# Altium PCB OECU_BASE.PcbDoc (part 5 of 6)
Units mil, origin at the board's own origin, x right, y up, seen from the top; angles counter-clockwise.
Board outline 3937.01 x 3937.01 mil, 6 copper layers (SIG1, GND1, SIG2, POWER, GND2, SIG3), stack 60.566 mil thick; 357 components, 364 nets, 1500 pads, 1127 vias.
Unrouted connection lines stored in the file: 1.
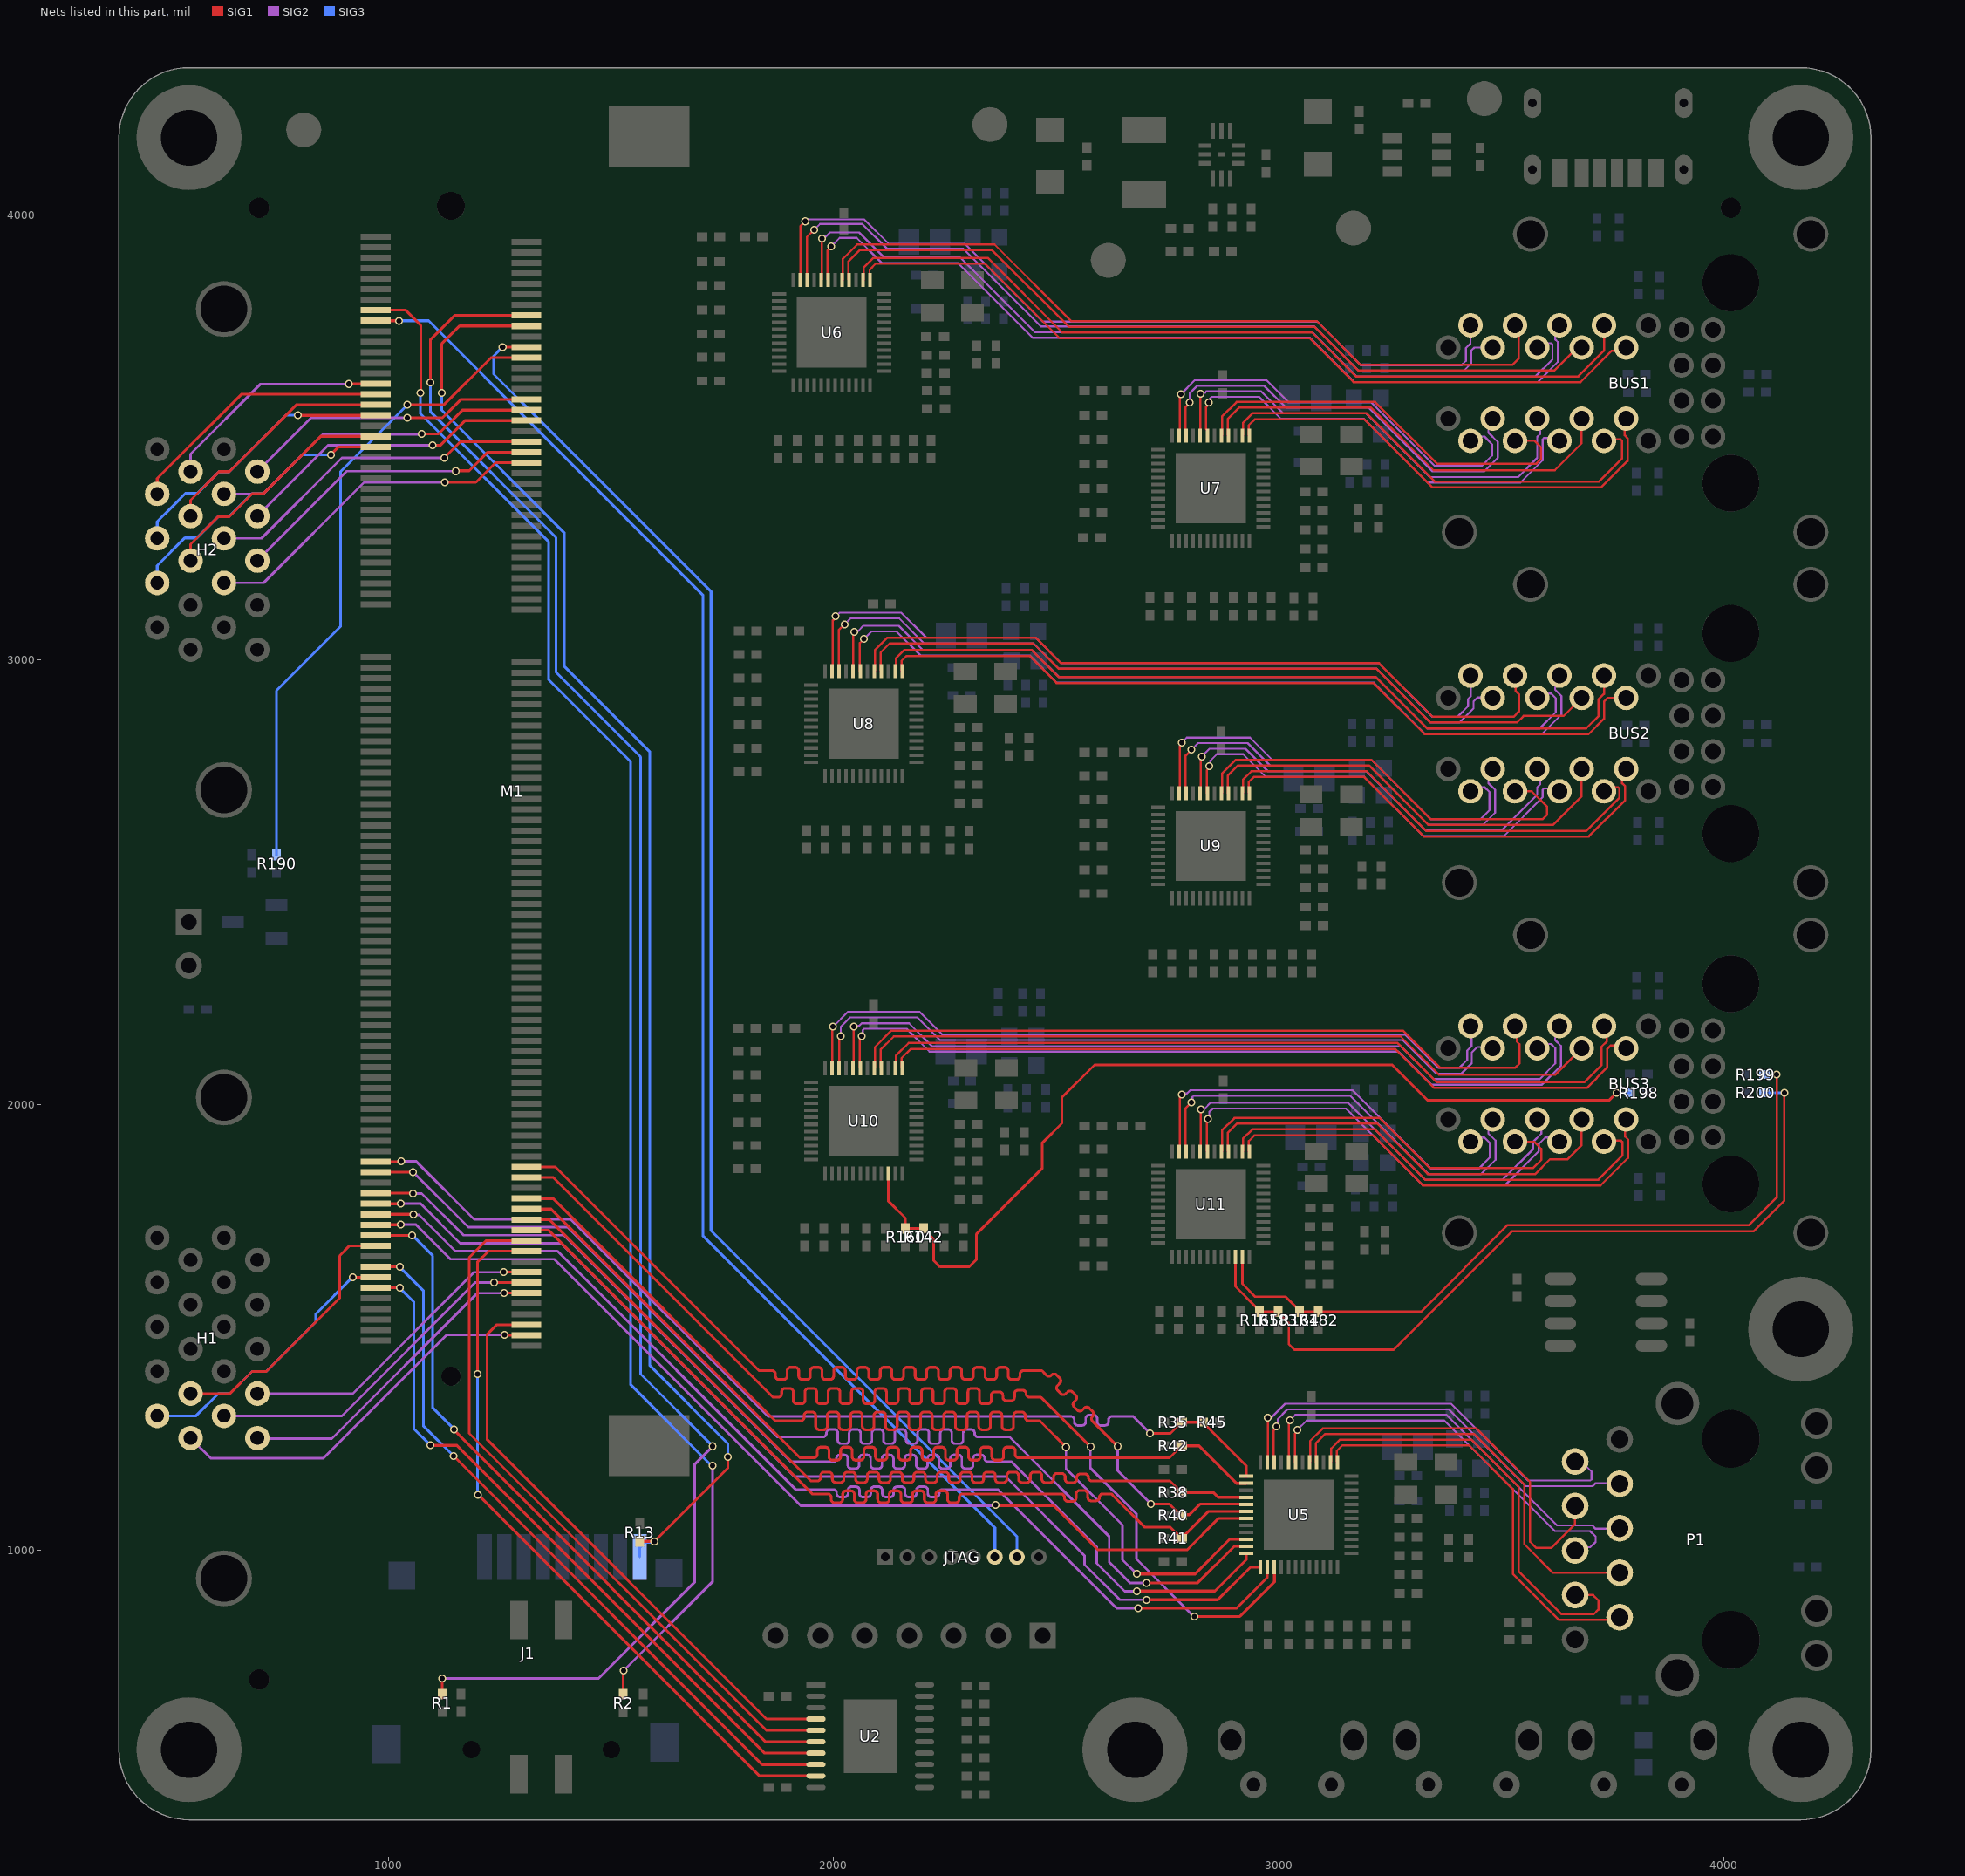
[diagram p9: the nets of this part, all layers, seen from the top]

## Via types
v1: diameter 17.72, hole 11.81, SIG1 to SIG3, tented both sides, 1064 vias
v2: diameter 23.62, hole 11.81, SIG1 to SIG3, tented both sides, 63 vias

## Nets (pads, with @x,y where several pads share a name; then routed paths per layer and width w, separated by ;. In a path a pad name is that pad's centre, name@x,y a point inside that pad or via, vN(x,y) a via of type N, cw(c..) or ccw(c..) an arc to the next point about the centre after c; other vN are vias at no path point) (continued)
LED5_YN: R142.2 R160.1 R198.1 U10.34 | length 2163.2
  SIG1 w6: R142.2@2205,1722.69 2205,1717.72 2225,1697.72 2225,1650 2239,1636 2304,1636 2321,1653 2321,1710 2469,1858 2469,1915 2512.75,1958.75 2512.75,2016.75 2586,2090 3255,2090 3335,2010 3742,2010 v1(3759,2027)
  SIG1 w6.16: U10.34@2122.5,1845.89 2122.5,1784.5 2161,1746 R160.1@2161,1722.68 R142.2@2205,1722.69
  SIG3 w6: v1(3759,2027) R198.1@3789.32,2027
LED6_GP: R164.2 R182.1 R199.2 U11.35 | length 1698.9
  SIG1 w5: R182.1@3089,1535.68 3319.68,1535.68 3514,1730 4057,1730 4119,1792 v1(4119,2068)
  SIG1 w5.61: U11.35@2918.25,1658.78 2918.25,1597.75 2947,1569 3015.65,1569 3047,1537.65 R164.2@3047,1535.69 R182.1@3089,1535.68
  SIG3 w5: R199.2@4091,2068.22 4118.78,2068.22 v1(4119,2068)
LED6_YN: R165.2 R183.1 R200.1 U11.34 | length 1815.1
  SIG1 w5: R183.1@2999,1535.68 2999,1533.72 3023,1509.72 3023,1462 3035,1450 3258,1450 3524,1716 4067,1716 4136,1785 v1(4136,2027)
  SIG1 w5.61: U11.34@2902.5,1658.78 2902.5,1592.15 2949.96,1544.69 2957,1537.65 R165.2@2957,1535.69 R183.1@2999,1535.68
  SIG3 w5: R200.1@4091,2027.22 4135.78,2027.22 v1(4136,2027)
MDI0_0_N: P1.3 U5.2 | length 996
  SIG1 w4.88: U5.2@3116.25,1197 3117.69,1198.43 3117.69,1227.9 3137.66,1247.88 3433.12,1247.88 3539,1142 3539,952 3635.39,855.61 3707.61,855.61 3718,866 3718,887 3706.38,898.62 P1.3@3666,898.62
MDI0_0_P: P1.2 U5.1 | length 943
  SIG1 w4.88: U5.1@3132,1197 3130.57,1198.43 3130.57,1222.57 3143,1235 3427.79,1235 3526.12,1136.67 3526.12,946.67 3630.05,842.73 3760.12,842.73 P1.2@3766,848.62
MDI0_1_N: P1.7 U5.5 | length 908.3
  SIG1 w4.88: U5.5@3069.01,1197 3070.44,1198.43 3070.44,1244.66 3099.43,1273.64 3443.79,1273.64 3564.76,1152.67 3564.76,1018.46 3578.22,1005 3613,1005 3666,1058 P1.7@3666,1098.62
MDI0_1_P: P1.4 U5.4 | length 942.4
  SIG1 w4.88: U5.4@3084.76,1197 3083.32,1198.43 3083.32,1239.32 3104.76,1260.76 3438.46,1260.76 3551.88,1147.34 3551.88,1013.12 3616.38,948.62 P1.4@3766,948.62
MDI0_2_N: P1.6 U5.8 | length 947.9
  SIG1 w4.88: U5.8@3021.76,1197 3023.2,1198.43 3023.2,1289.2 v1(3025,1291)
  SIG2 w4.44: v1(3025,1291) 3037.44,1303.44 3377.15,1303.44 3625.56,1055.03 3704.55,1055.03 3712.05,1047.53 3764.91,1047.53 P1.6@3766,1048.62
MDI0_2_P: P1.5 U5.7 | length 928.9
  SIG1 w4.88: U5.7@3037.51,1197 3036.08,1198.43 3036.08,1260.72 3042,1266.65 v1(3042,1270)
  SIG2 w4.44: v1(3042,1270) 3063,1291 3372,1291 3620.41,1042.59 3699.4,1042.59 3712,1029.99 3712,1018 3700.06,1006.06 3673.44,1006.06 P1.5@3666,998.62
MDI0_3_N: P1.9 U5.11 | length 977.1
  SIG1 w4.88: U5.11@2974.52,1197 2975.32,1197.8 v1(2975.32,1297.32)
  SIG2 w4.44: v1@2979.39,1293.45 2979.39,1297.8 2981.45,1299.86 2985.83,1299.86 3014.29,1328.32 3387.46,1328.32 3559.88,1155.9 3700.07,1155.9 3702.67,1158.5 3702.67,1176.33 3680.38,1198.62 P1.9@3666,1198.62
MDI0_3_P: P1.8 U5.10 | length 953.7
  SIG1 w4.88: U5.10@2990.27,1197 2988.83,1198.43 2988.83,1268.72 2995,1274.89 v1(2995,1278)
  SIG2 w4.44: v1(2995,1278) 2997.54,1280.54 2997.54,1293.97 3019.45,1315.88 3382.31,1315.88 3554.73,1143.46 3705.22,1143.46 3712.07,1150.31 3764.31,1150.31 P1.8@3766,1148.62
MDI1_0_N: BUS1.U3 U6.2 | length 1892.5
  SIG1 w4.88: U6.2@2066.25,3853.5 2067.69,3854.93 2067.69,3881.9 2089.16,3903.38 2345.84,3903.38 2513.59,3735.62 3063.52,3735.62 3063.9,3736 3074.57,3736 3173.45,3637.12 3672.91,3637.12 3730.71,3694.92 BUS1.U3@3730.71,3751.97
MDI1_0_P: BUS1.U2 U6.1 | length 1872.4
  SIG1 w4.88: U6.1@2082,3853.5 2080.57,3854.93 2080.57,3876.57 2094.5,3890.5 2340.5,3890.5 2508.26,3722.74 3068.86,3722.74 3069.24,3723.12 3168.11,3624.24 3678.24,3624.24 3748.69,3694.69 3773.43,3694.69 BUS1.U2@3780.71,3701.97
MDI1_1_N: BUS1.U7 U6.5 | length 1776.9
  SIG1 w4.88: U6.5@2019.01,3853.5 2020.44,3854.93 2020.44,3901.16 2052.78,3933.5 2361.22,3933.5 2533.34,3761.38 3058.18,3761.38 3058.38,3761.57 3085.43,3761.57 3184.12,3662.88 3524.88,3662.88 3539.27,3677.27 3539.27,3743.41 BUS1.U7@3530.71,3751.97
MDI1_1_P: BUS1.U4 U6.4 | length 1834.4
  SIG1 w4.88: U6.4@2034.76,3853.5 2033.32,3854.93 2033.32,3895.82 2058.12,3920.62 2355.88,3920.62 2528,3748.5 3063.52,3748.5 3063.71,3748.69 3080.09,3748.69 3178.78,3650 3619,3650 3670.97,3701.97 BUS1.U4@3680.71,3701.97
MDI1_2_N: BUS1.U6 U6.8 | length 1958.1
  SIG1 w4.88: U6.8@1971.76,3853.5 1973.2,3854.93 1973.2,3945.7 v1(1974,3946.5)
  SIG2 w4.44: v1@1979,3947.91 1982.27,3951.17 1982.39,3951.17 1991.74,3960.53 2056.97,3960.53 2113,3904.5 2284.09,3904.5 2452.09,3736.5 3075.31,3736.5 3174.81,3637 3577,3637 3614.93,3674.93 3614.93,3708.95 3612.33,3711.55 3590.29,3711.55 BUS1.U6@3580.71,3701.97
MDI1_2_P: BUS1.U5 U6.7 | length 1962
  SIG1 w4.88: U6.7@1987.51,3853.5 1986.08,3854.93 1986.08,3919.87 1994.36,3928.15 v1(1994.36,3929.14)
  SIG2 w4.44: v1(1994.36,3929.14) 2013.3,3948.09 2051.82,3948.09 2107.85,3892.06 2278.94,3892.06 2446.94,3724.06 3070.16,3724.06 3169.66,3624.56 3582.15,3624.56 3627.37,3669.78 3627.37,3714.11 3621.12,3720.35 3621.12,3742.38 BUS1.U5@3630.71,3751.97
MDI1_3_N: BUS1.U9 U6.11 | length 1847.4
  SIG1 w4.88: U6.11@1924.52,3853.5 1924.88,3853.86 1924.88,3974.38 v1(1936,3985.5)
  SIG2 w4.44: v1(1936,3985.5) 1939.59,3985.5 1944.15,3990.06 2068.44,3990.06 2124,3934.5 2295.26,3934.5 2469.76,3760 3087,3760 3185.12,3661.88 3410.29,3661.88 3420.56,3672.15 3420.56,3700.62 3430.71,3710.76 BUS1.U9@3430.71,3751.97
MDI1_3_P: BUS1.U8 U6.10 | length 1825.2
  SIG1 w4.88: U6.10@1940.27,3853.5 1939.91,3853.86 1939.91,3950.41 v1(1956,3966.5)
  SIG2 w4.44: v1(1956,3966.5) 1969.12,3979.62 2064.12,3979.62 2119.68,3924.06 2290.94,3924.06 2465.44,3749.56 3079.85,3749.56 3179.97,3649.44 3415.44,3649.44 3433,3667 3433,3695.46 3439.51,3701.97 BUS1.U8@3480.71,3701.97
MDI2_0_N: BUS1.D3 U7.2 | length 1057.3
  SIG1 w4.88: U7.2@2918.25,3504 2919.69,3505.43 2919.69,3532.4 2941.16,3553.88 3197.34,3553.88 3350.34,3400.88 3719.66,3400.88 3771.12,3452.34 3771.12,3492.61 3768.26,3495.47 3734.05,3495.47 BUS1.D3@3730.71,3492.13
MDI2_0_P: BUS1.D2 U7.1 | length 1067.9
  SIG1 w4.88: U7.1@2934,3504 2932.57,3505.43 2932.57,3527.07 2946.5,3541 3192,3541 3345,3388 3725,3388 3784,3447 3784,3497.94 3777.37,3504.57 3777.37,3538.79 BUS1.D2@3780.71,3542.13
MDI2_1_N: BUS1.D7 U7.5 | length 926.2
  SIG1 w4.88: U7.5@2871.01,3504 2872.44,3505.43 2872.44,3546.66 2905.43,3579.64 3216.36,3579.64 3355,3441 3579,3441 3589,3451 3589,3478 3574.87,3492.13 BUS1.D7@3530.71,3492.13
MDI2_1_P: BUS1.D4 U7.4 | length 982.7
  SIG1 w4.88: U7.4@2886.76,3504 2885.32,3505.43 2885.32,3541.32 2910.76,3566.76 3207.24,3566.76 3348,3426 3620,3426 3680.71,3486.71 BUS1.D4@3680.71,3542.13
MDI2_2_N: BUS1.D6 U7.8 | length 1043.2
  SIG1 w4.88: U7.8@2823.76,3504 2823.76,3592.07 2825.05,3593.36 v1@2827.64,3593.36
  SIG2 w4.44: v1@2827.64,3593.58 2827.64,3598.01 2830.13,3600.5 2834.56,3600.5 2837.44,3603.38 2960.62,3603.38 3010.2,3553.8 3196.8,3553.8 3339.59,3411 3538,3411 3580.71,3453.71 3580.71,3500.92 3586.95,3507.17 3586.95,3535.88 BUS1.D6@3580.71,3542.13
  other v1: 2824,3598
MDI2_2_P: BUS1.D5 U7.7 | length 1026
  SIG1 w4.88: U7.7@2839.51,3504 2839.51,3515.81 2836.64,3518.68 2836.64,3568.72 2843,3575.08 v1(2843,3578)
  SIG2 w4.44: v1(2843,3578) 2845.54,3580.54 2845.54,3587.1 2849.38,3590.94 2955.47,3590.94 3005.05,3541.36 3191.64,3541.36 3334.44,3398.56 3543.15,3398.56 3593.15,3448.56 3593.15,3495.77 3595.75,3498.37 3624.46,3498.37 BUS1.D5@3630.71,3492.13
MDI2_3_N: BUS1.D9 U7.11 | length 981.6
  SIG1 w4.88: U7.11@2776.52,3504 2777.95,3505.43 2777.95,3594.95 v1(2780,3597)
  SIG2 w4.44: v1(2780,3597) 2811.26,3628.26 2972.74,3628.26 3022,3579 3207.59,3579 3350.71,3435.88 3418.85,3435.88 3418.97,3436 3456.41,3436 3479.56,3459.15 3479.56,3484.48 3462.33,3501.71 3440.29,3501.71 BUS1.D9@3430.71,3492.13
MDI2_3_P: BUS1.D8 U7.10 | length 991.9
  SIG1 w4.88: U7.10@2792.27,3504 2790.83,3505.43 2790.83,3568.72 2800,3577.89 v1(2800,3578)
  SIG2 w4.44: v1(2800,3578) 2799.72,3578.28 2799.72,3599.13 2816.41,3615.82 2967.59,3615.82 3016.85,3566.56 3202.44,3566.56 3345.56,3423.44 3424,3423.44 3424.12,3423.56 3461.56,3423.56 3492,3454 3492,3489.63 3471.12,3510.51 3471.12,3532.54 BUS1.D8@3480.71,3542.13
MDI3_0_N: BUS2.U3 U8.2 | length 1795.8
  SIG1 w4.88: U8.2@2138.25,2975 2139.69,2976.43 2139.69,3003.4 2158.16,3021.88 2445.34,3021.88 2506.11,2961.11 3218.01,2961.11 3333.12,2846 3691,2846 3718.21,2873.21 3718.21,2911.18 3730.71,2923.67 BUS2.U3@3730.71,2964.57
MDI3_0_P: BUS2.U2 U8.1 | length 1785.2
  SIG1 w4.88: U8.1@2154,2975 2152.57,2976.43 2152.57,2998.07 2163.5,3009 2440,3009 2500.77,2948.23 3212.68,2948.23 3327.78,2833.12 3696.34,2833.12 3731.09,2867.88 3731.09,2905.84 3739.82,2914.57 BUS2.U2@3780.71,2914.57
MDI3_1_N: BUS2.U7 U8.5 | length 1669.4
  SIG1 w4.88: U8.5@2091.01,2975 2092.44,2976.43 2092.44,3021.66 2120.66,3049.88 2453.76,3049.88 2511.08,2992.56 3225.44,2992.56 3346,2872 3527.78,2872 3540,2884.22 3540,2922.42 3532.73,2929.69 3532.73,2962.55 BUS2.U7@3530.71,2964.57
MDI3_1_P: BUS2.U4 U8.4 | length 1722.5
  SIG1 w4.88: U8.4@2106.76,2975 2105.32,2976.43 2105.32,3016.32 2126,3037 2448.43,3037 2505.75,2979.68 3220.1,2979.68 3340.66,2859.12 3535.12,2859.12 3550,2874 3640.14,2874 BUS2.U4@3680.71,2914.57
MDI3_2_N: BUS2.U6 U8.8 | length 1863.8
  SIG1 w4.88: U8.8@2043.76,2975 2043.76,3060.76 v1(2046,3063)
  SIG2 w4.44: v1(2046,3063) 2048.54,3065.54 2055.61,3065.54 2066.51,3076.44 2146.15,3076.44 2200.15,3022.44 2445.15,3022.44 2506.59,2961 3218.71,2961 3334.27,2845.44 3585.85,2845.44 3622.56,2882.15 3622.56,2913.92 3612.33,2924.15 3590.29,2924.15 BUS2.U6@3580.71,2914.57
MDI3_2_P: BUS2.U5 U8.7 | length 1861.3
  SIG1 w4.88: U8.7@2059.51,2975 2058.88,2975.63 2058.88,3037.88 v1(2068,3047)
  SIG2 w4.44: v1(2068,3047) 2085,3064 2141,3064 2195,3010 2440,3010 2501.44,2948.56 3213.56,2948.56 3329.12,2833 3591,2833 3635,2877 3635,2919.07 3621.12,2932.95 3621.12,2954.98 BUS2.U5@3630.71,2964.57
MDI3_3_N: BUS2.U9 U8.11 | length 1729.1
  SIG1 w4.88: U8.11@1996.52,2975 1997.95,2976.43 1997.95,3088.72 2004,3094.77 v1(2004,3098)
  SIG2 w4.44: v1(2004,3098) 2005.21,3098 2013.24,3106.03 2151.75,3106.03 2207.78,3050 2453.59,3050 2510.59,2993 3224.71,2993 3345.71,2872 3401.32,2872 3425.25,2895.93 3425.25,2911.84 3431.49,2918.08 3431.49,2963.78 BUS2.U9@3430.71,2964.57
MDI3_3_P: BUS2.U8 U8.10 | length 1702.3
  SIG1 w4.88: U8.10@2012.27,2975 2011.3,2975.97 2011.3,3066.58 v1(2024.36,3079.64)
  SIG2 w4.44: v1(2024.36,3079.64) 2038.3,3093.59 2146.6,3093.59 2202.63,3037.56 2448.44,3037.56 2505.44,2980.56 3219.56,2980.56 3340.56,2859.56 3406.47,2859.56 3437.69,2890.78 3437.69,2906.69 3446.35,2915.35 3479.93,2915.35 BUS2.U8@3480.71,2914.57
MDI4_0_N: BUS2.D3 U9.2 | length 1031.7
  SIG1 w4.88: U9.2@2918.25,2700 2919.69,2701.43 2919.69,2730.9 2938.66,2749.88 3197.34,2749.88 3331.22,2616 3691.31,2616 3765.59,2690.28 3765.59,2710.74 3762.73,2713.6 3739.58,2713.6 BUS2.D3@3730.71,2704.72
MDI4_0_P: BUS2.D2 U9.1 | length 1042.3
  SIG1 w4.88: U9.1@2934,2700 2932.57,2701.43 2932.57,2725.57 2944,2737 3192,2737 3325.88,2603.12 3696.65,2603.12 3778.47,2684.94 3778.47,2716.07 3771.84,2722.7 3771.84,2745.85 BUS2.D2@3780.71,2754.72
MDI4_1_N: BUS2.D7 U9.5 | length 953
  SIG1 w4.88: U9.5@2871.01,2700 2872.44,2701.43 2872.44,2744.66 2903.43,2775.64 3208.01,2775.64 3341.89,2641.76 3592.76,2641.76 3603,2652 3603,2670 3568.28,2704.72 BUS2.D7@3530.71,2704.72
MDI4_1_P: BUS2.D4 U9.4 | length 988.3
  SIG1 w4.88: U9.4@2886.76,2700 2885.32,2701.43 2885.32,2739.32 2908.76,2762.76 3202.67,2762.76 3336.55,2628.88 3615.88,2628.88 3680.71,2693.71 BUS2.D4@3680.71,2754.72
MDI4_2_N: BUS2.D6 U9.8 | length 1021.5
  SIG1 w4.88: U9.8@2823.76,2700 2825.2,2701.43 2825.2,2781.2 v1(2827,2783)
  SIG2 w4.44: v1(2827,2783) 2844.44,2800.44 2925.15,2800.44 2976.15,2749.44 3197.15,2749.44 3330.15,2616.44 3500.44,2616.44 3580.71,2696.71 3580.71,2713.52 3586.95,2719.77 3586.95,2748.48 BUS2.D6@3580.71,2754.72 ; v1@2828.64,2776.36 v1@2831.18,2778.9
MDI4_2_P: BUS2.D5 U9.7 | length 1000.8
  SIG1 w4.88: U9.7@2839.51,2700 2838.08,2701.43 2838.08,2751.72 2844,2757.65 v1(2844,2761)
  SIG2 w4.44: v1(2844,2761) 2846.54,2763.54 2846.54,2773.54 2861,2788 2920,2788 2971,2737 3192,2737 3325,2604 3505.59,2604 3593.15,2691.56 3593.15,2708.37 3595.75,2710.97 3624.46,2710.97 BUS2.D5@3630.71,2704.72
MDI4_3_N: BUS2.D9 U9.11 | length 989.2
  SIG1 w4.88: U9.11@2776.52,2700 2777.95,2701.43 2777.95,2806.48 2782,2810.53 v1(2782,2814)
  SIG2 w4.44: v1(2782,2814) 2793.32,2825.32 2935.46,2825.32 2986.46,2774.32 3209.27,2774.32 3341.59,2642 3453.41,2642 3473.56,2662.15 3473.56,2703.08 3462.33,2714.31 3440.29,2714.31 BUS2.D9@3430.71,2704.72
MDI4_3_P: BUS2.D8 U9.10 | length 987.4
  SIG1 w4.88: U9.10@2792.27,2700 2790.83,2701.43 2790.83,2784.83 v1(2804,2798)
  SIG2 w4.44: v1(2804,2798) 2818.88,2812.88 2930.31,2812.88 2981.31,2761.88 3204.12,2761.88 3336.44,2629.56 3458.56,2629.56 3486,2657 3486,2708.23 3471.12,2723.11 3471.12,2745.14 BUS2.D8@3480.71,2754.72
MDI5_0_N: BUS3.U3 U10.2 | length 1774.5
  SIG1 w4.88: U10.2@2138.25,2082.11 2139.69,2083.54 2139.69,2110.51 2168.17,2139 3267,2139 3355.12,2050.88 3686.88,2050.88 3725,2089 3725,2130.56 3737.38,2142.95 3737.38,2170.49 BUS3.U3@3730.71,2177.17
MDI5_0_P: BUS3.U2 U10.1 | length 1763.8
  SIG1 w4.88: U10.1@2154,2082.11 2152.57,2083.54 2152.57,2105.18 2173.51,2126.12 3261.66,2126.12 3349.78,2038 3692.22,2038 3737.88,2083.66 3737.88,2125.23 3746.49,2133.84 3774.03,2133.84 BUS3.U2@3780.71,2127.17
MDI5_1_N: BUS3.U7 U10.5 | length 1638.6
  SIG1 w4.88: U10.5@2091.01,2082.11 2092.44,2083.54 2092.44,2129.66 2129.78,2167 3279,2167 3362,2084 3531.78,2084 3541,2093.22 3541,2136.32 3535.03,2142.29 3535.03,2172.84 BUS3.U7@3530.71,2177.17
MDI5_1_P: BUS3.U4 U10.4 | length 1690.7
  SIG1 w4.88: U10.4@2106.76,2082.11 2105.32,2083.54 2105.32,2124.32 2135.12,2154.12 3273.67,2154.12 3359.79,2068 3621.54,2068 BUS3.U4@3680.71,2127.17
MDI5_2_N: BUS3.U6 U10.8 | length 1824.1
  SIG1 w4.88: U10.8@2043.76,2082.11 2045.2,2083.54 2045.2,2167.91 2045,2167.71 v1(2045,2176)
  SIG2 w4.44: v1(2045,2176) 2046.96,2177.96 2057.51,2177.96 2062.99,2183.44 2169.15,2183.44 2220.59,2132 3274.16,2132 3348.16,2058 3586.41,2058 3621.56,2093.15 3621.56,2127.52 3612.33,2136.75 3590.29,2136.75 BUS3.U6@3580.71,2127.17
MDI5_2_P: BUS3.U5 U10.7 | length 1827.5
  SIG1 w4.88: U10.7@2059.51,2082.11 2058.08,2083.54 2058.08,2147 2063,2151.92 v1(2063,2155)
  SIG2 w4.44: v1(2063,2155) 2065.54,2157.54 2065.54,2168.4 2068.14,2171 2164,2171 2215.44,2119.56 3269.01,2119.56 3343.01,2045.56 3591.56,2045.56 3634,2088 3634,2132.67 3621.12,2145.55 3621.12,2167.58 BUS3.U5@3630.71,2177.17
MDI5_3_N: BUS3.U9 U10.11 | length 1674.8
  SIG1 w4.88: U10.11@1996.52,2082.11 1997.24,2082.83 1997.24,2123.24 1996.7,2123.77 1996.7,2173.91 v1(1998.64,2175.86)
  SIG2 w4.44: v1(1998.64,2175.86) 2031.73,2208.94 2193.06,2208.94 2244,2158 3284.01,2158 3359.13,2082.88 3405.34,2082.88 3423.56,2101.1 3423.56,2122.32 3433.5,2132.27 3433.5,2174.37 BUS3.U9@3430.71,2177.17
MDI5_3_P: BUS3.U8 U10.10 | length 1660.5
  SIG1 w4.88: U10.10@2012.27,2082.11 2012.27,2147.29 2016,2151.03 v1(2016,2154.5)
  SIG2 w4.44: v1(2016,2154.5) 2016,2175.62 2036.88,2196.5 2187.91,2196.5 2238.85,2145.56 3278.86,2145.56 3353.98,2070.44 3410.49,2070.44 3434,2093.95 3434,2118 3445.96,2129.96 3477.92,2129.96 BUS3.U8@3480.71,2127.17
MDI6_0_N: BUS3.D3 U11.2 | length 1034
  SIG1 w4.88: U11.2@2918.25,1895 2919.69,1896.43 2919.69,1923.9 2940.66,1944.88 3216.34,1944.88 3329.22,1832 3718,1832 3772.12,1886.12 3772.12,1916.8 3769.26,1919.66 3733.05,1919.66 BUS3.D3@3730.71,1917.32
MDI6_0_P: BUS3.D2 U11.1 | length 1044.7
  SIG1 w4.88: U11.1@2934,1895 2932.57,1896.43 2932.57,1918.57 2946,1932 3211,1932 3323.88,1819.12 3723.34,1819.12 3785,1880.79 3785,1922.14 3778.37,1928.77 3778.37,1964.98 BUS3.D2@3780.71,1967.32
MDI6_1_N: BUS3.D7 U11.5 | length 922.5
  SIG1 w4.88: U11.5@2871.01,1895 2872.44,1896.43 2872.44,1942.66 2900.43,1970.64 3227.01,1970.64 3339.89,1857.76 3571.24,1857.76 3590,1876.52 3590,1901 3573.68,1917.32 BUS3.D7@3530.71,1917.32
MDI6_1_P: BUS3.D4 U11.4 | length 978
  SIG1 w4.88: U11.4@2886.76,1895 2885.32,1896.43 2885.32,1937.32 2905.76,1957.76 3221.67,1957.76 3334.55,1844.88 3576.57,1844.88 3609.69,1878 3649,1878 3680.71,1909.71 BUS3.D4@3680.71,1967.32
MDI6_2_N: BUS3.D6 U11.8 | length 1020.7
  SIG1 w4.88: U11.8@2823.76,1895 2825.2,1896.43 2825.2,1983.2 v1@2826,1984
  SIG2 w4.44: v1@2828.54,1986.54 2828.54,1989.95 2831.13,1992.54 2834.54,1992.54 2846.44,2004.44 3156.15,2004.44 3328.59,1832 3503,1832 3572,1901 3572,1917.41 3590.29,1935.7 3590.29,1957.74 BUS3.D6@3580.71,1967.32
  other v1: 2825,1990
MDI6_2_P: BUS3.D5 U11.7 | length 1011.8
  SIG1 w4.88: U11.7@2839.51,1895 2838.08,1896.43 2838.08,1959.37 2838.9,1960.19 2838.9,1966.19 v1(2841.36,1968.64)
  SIG2 w4.44: v1(2841.36,1968.64) 2843.9,1971.18 2843.9,1984.3 2851.59,1992 3151,1992 3323.44,1819.56 3508.15,1819.56 3584.44,1895.85 3584.44,1912.26 3599.09,1926.91 3621.12,1926.91 BUS3.D5@3630.71,1917.32
MDI6_3_N: BUS3.D9 U11.11 | length 995.8
  SIG1 w4.88: U11.11@2776.52,1895 2777.95,1896.43 2777.95,2015.48 2782,2019.53 v1(2782,2023)
  SIG2 w4.44: v1(2782,2023) 2784.54,2025.54 2793.78,2025.54 2801.24,2033 3166,2033 3342.12,1856.88 3449.29,1856.88 3474.56,1882.15 3474.56,1914.67 3462.33,1926.91 3440.29,1926.91 BUS3.D9@3430.71,1917.32
MDI6_3_P: BUS3.D8 U11.10 | length 998.8
  SIG1 w4.88: U11.10@2792.27,1895 2790.83,1896.43 2790.83,1992.83 v1(2804,2006)
  SIG2 w4.44: v1(2804,2006) 2804,2009.74 2806.39,2013.18 2806.39,2017.96 2808.99,2020.56 3160.85,2020.56 3336.97,1844.44 3454.44,1844.44 3487,1877 3487,1919.83 3471.12,1935.7 3471.12,1957.74 BUS3.D8@3480.71,1967.32
MIO0: J1.9 M1.18 R13.2 | length 3325
  SIG1 w6.16: v1(1119,3600) 1119,3710 1159.31,3750.31 M1.18@1309.29,3750.31 ; R13.2@1564,1019.31 1596.69,1019.31 v1(1597,1019) 1762,1184 v1(1762,1209)
  SIG3 w6.16: v1(1119,3600) 1119,3561.59 1394.4,3286.19 1394.4,2985.79 1587,2793.19 1587,1414 1762,1239 v1(1762,1209) ; J1.9@1563.85,984.25 1563.85,1004.12 1576.52,1016.79 1594.79,1016.79 v1(1597,1019)
MIO4: M1.15 R2.2 | length 3548.6
  SIG1 w6: M1.15@970.71,3785.75 1038.25,3785.75 1072,3752 1072,3601 v1(1071,3600) ; R2.2@1527.22,675.56 1527.22,728.22 v1(1528,729)
  SIG2 w6: v1(1528,729) 1728,929 v1(1728,1189)
  SIG3 w6: v1(1071,3600) 1071,3554 1359,3266 1359,2956 1544,2771 1544,1371 1726,1189 v1(1728,1189)
MIO5: M1.16 R1.2 | length 4002
  SIG1 w6: v1(1094,3623) 1094,3720 1147.94,3773.94 M1.16@1309.29,3773.94 ; R1.2@1120,675.69 v1(1120,711)
  SIG2 w6: v1(1120,711) 1471,711 1688,928 1688,1193 v1(1728,1233)